# Altium PCB AD8367(1).PcbDoc
Units mil, origin at the board's own origin, x right, y up, seen from the top; angles counter-clockwise.
Board outline 1968.5 x 1968.5 mil, 2 copper layers (Top Layer, Bottom Layer); 24 components, 16 nets, 82 pads, 1051 vias.
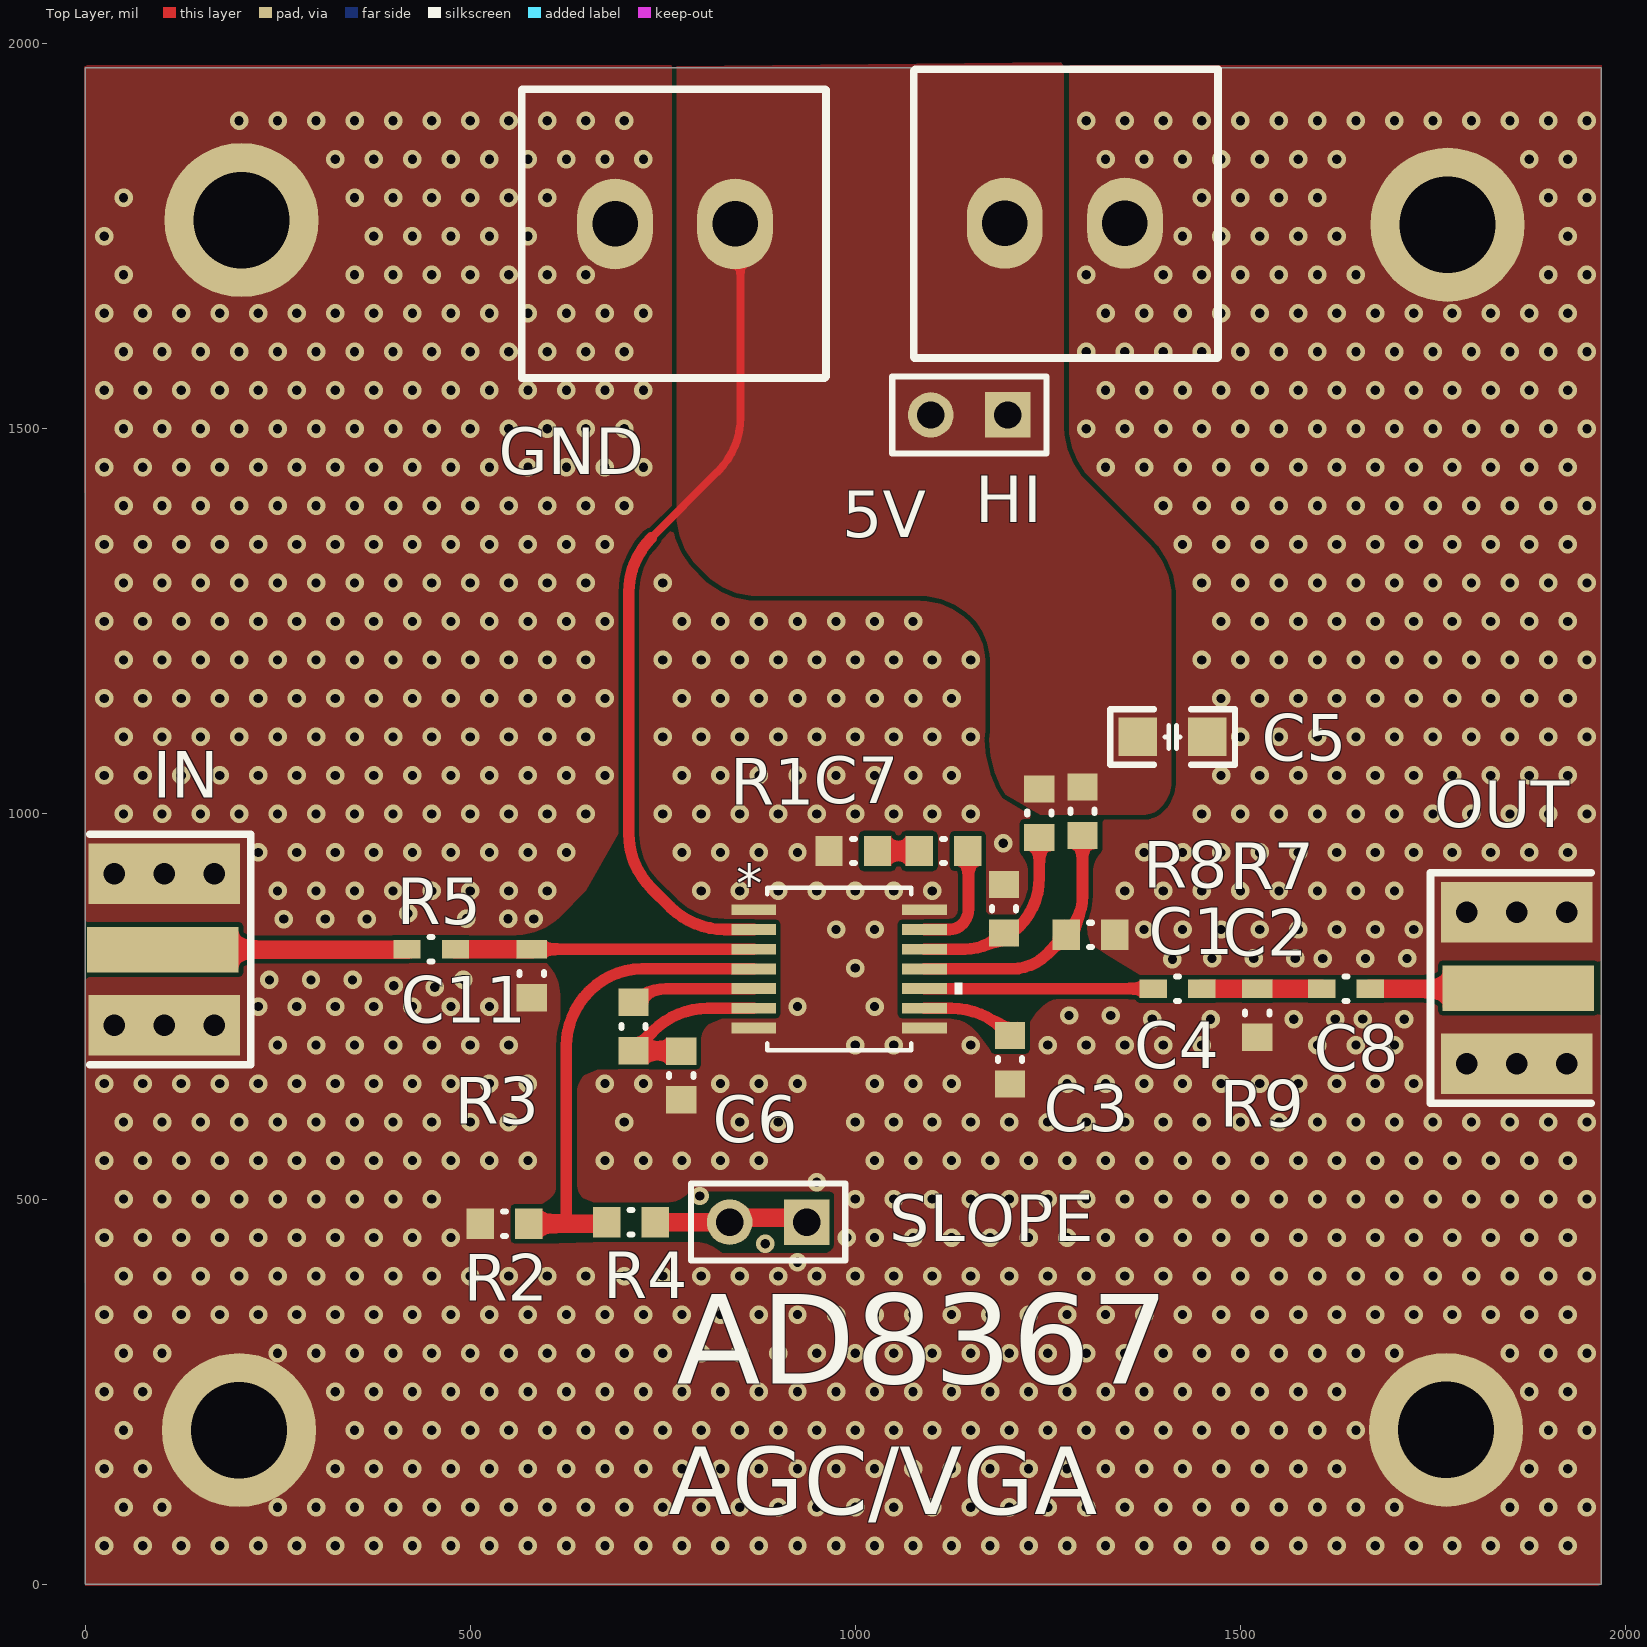
[diagram p0: Top Layer view]
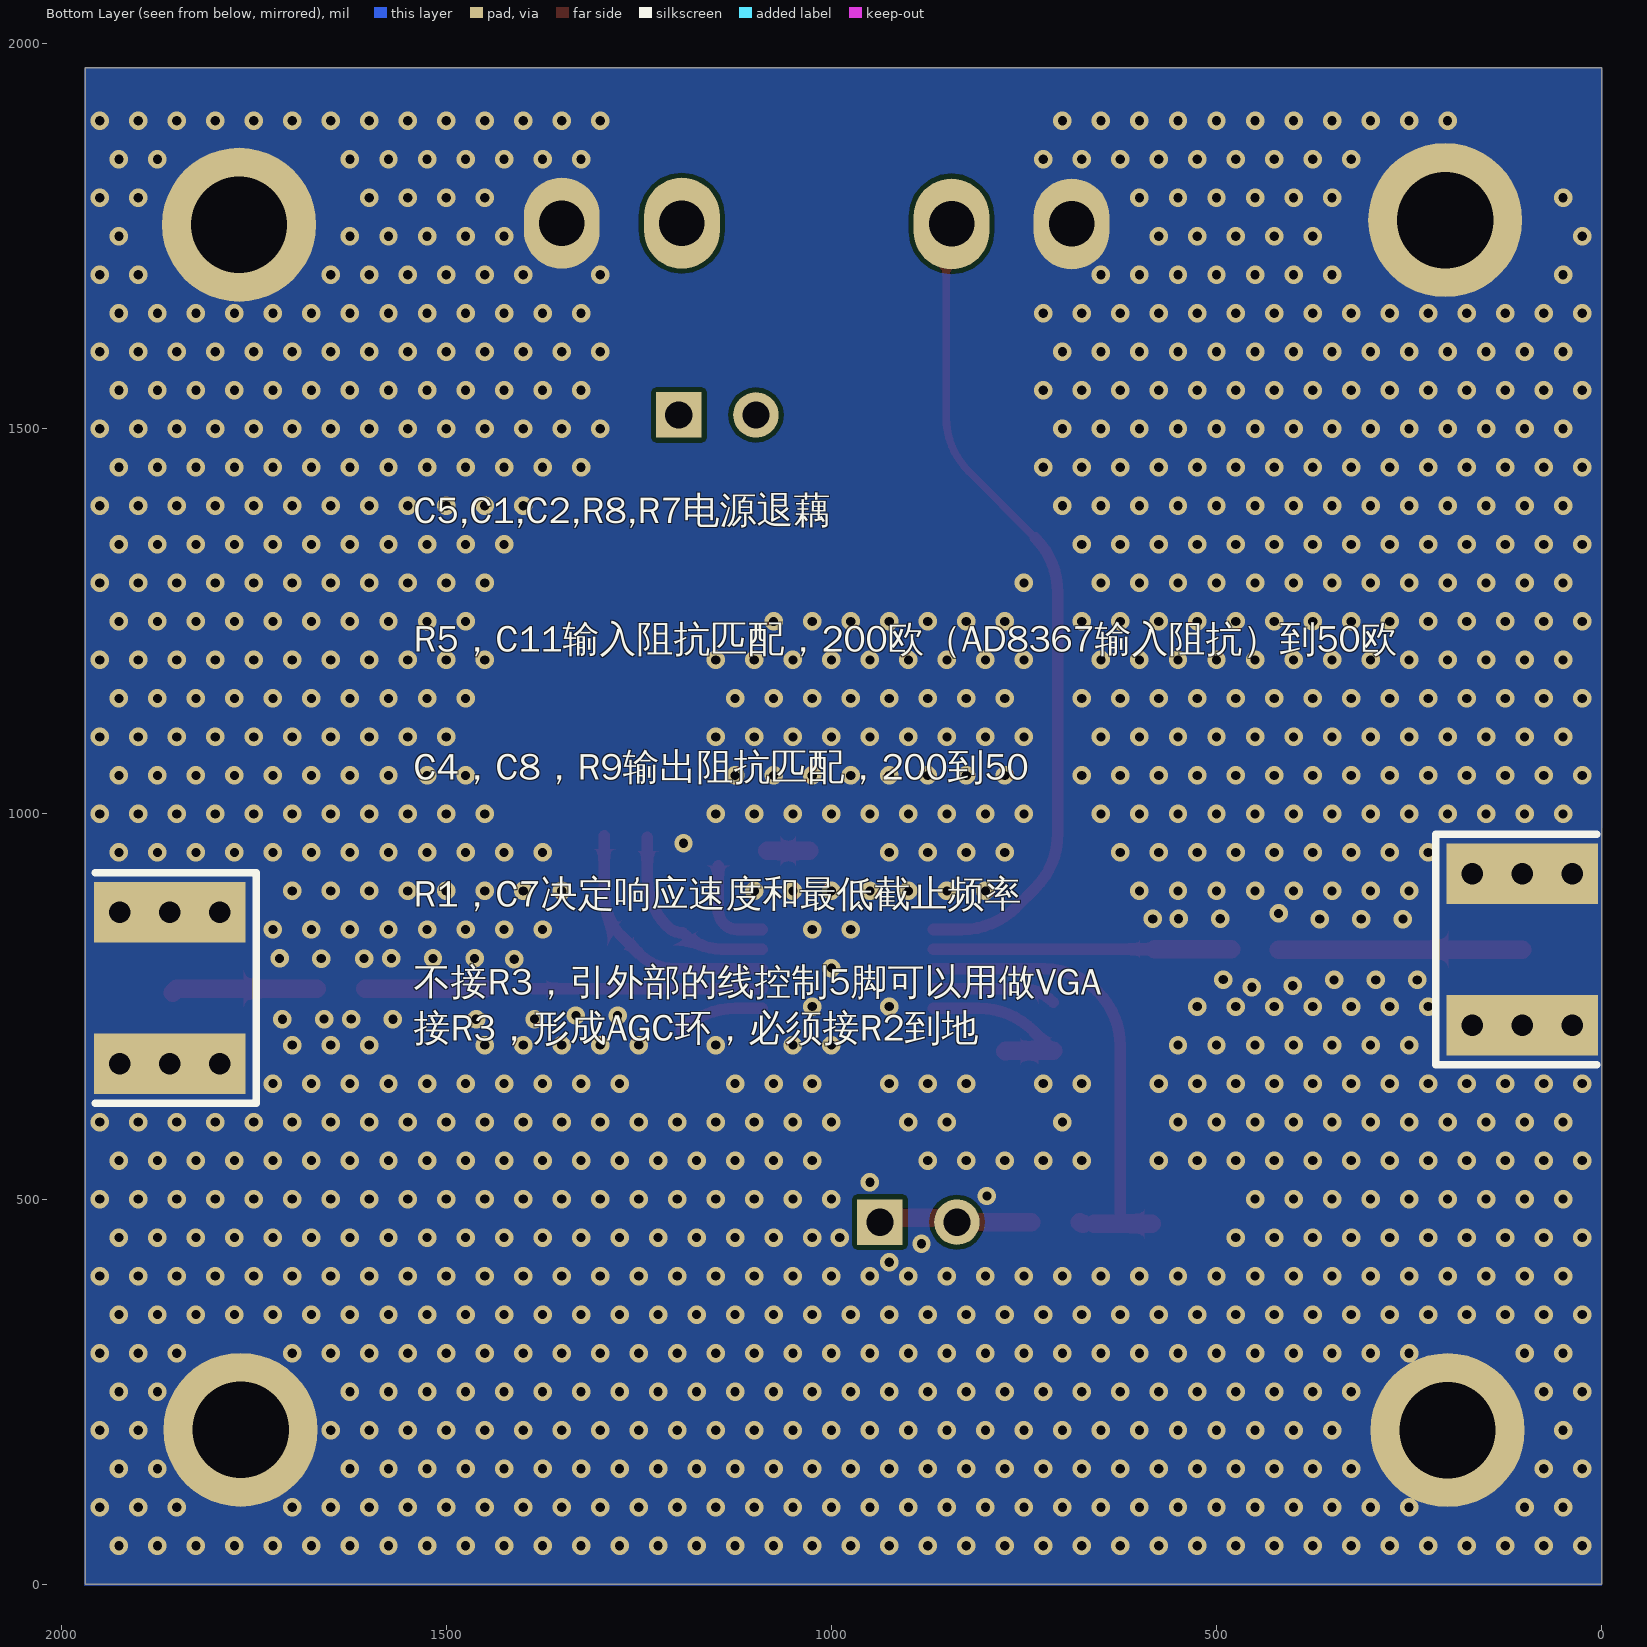
[diagram p1: Bottom Layer view, seen from below]

## Layer stack, top to bottom
Top Solder: solder mask 0.4, Solder Resist, Dk 3.5
Top Layer: signal copper 1.4
Dielectric 1: dielectric 12.6, FR-4, Dk 4.8
Bottom Layer: signal copper 1.4
Bottom Solder: solder mask 0.4, Solder Resist, Dk 3.5

## Board outline
0,0 1968.5,0 1968.5,1968.5 0,1968.5

## Design rules (kind name [scope] priority, off if disabled: settings)
Clearance [All] p1: gap=10 ignorepadtopadclearanceinfootprint=FALSE except(0: Arc-Hole Track-Hole SMDPad-Hole THPad-Hole Via-Hole Fill-Hole Poly-Hole Region-Hole Text-Hole; 6: Arc-Fill Arc-Poly Arc-Region Track-Fill Track-Poly Track-Region SMDPad-Fill SMDPad-Poly SMDPad-Region THPad-Fill THPad-Poly THPad-Region Fill-Fill Fill-Poly Fill-Region Poly-Poly Poly-Region Region-Region)
PolygonConnect [All] p1: connectstyle=Direct reliefconductorwidth=10 reliefentries=4 polygonreliefangle="90 Angle" airgapwidth=10
RoutingVias [All] p1: holewidth=28 width=50 viastyle="Through Hole" minholewidth=28 minwidth=50 maxholewidth=28 maxwidth=50
SolderMaskExpansion [All] p1: expansion=4
Width [All] p1: maxlimit=24 minlimit=10 preferedwidth=24
30 further rules are at their usual default settings.

## Components (designator, comment, footprint, x,y, rotation, side; value= is the part's Value field where it differs from the comment)
5V "3.96" 3.96 1350,1767 r180 top (schematic designator 1)
AD8367 "AD8367" RU_14 979,798.82 r0 top (schematic designator U1)
C1 "0.1uF" 0603C#1 1305.5,843 r180 top
C2 "0.1uF" 0603C#1 1193,877 r90 top
C3 "10nF" 0603C#1 1201,681 r90 top
C4 "0.1uF" 0603C#2 1418.5,773 r0 top
C5 "6pF" "C 0805_M" 1412,1100 r180 top
C6 "0.1uF" 0603C#1 774,660.5 r90 top
C7 "10nF" 0603C#1 1114.5,952 r0 top
C8 "0F" 0603C#2 1637,773 r0 top
C11 "0F" 0603C#3 580,793 r270 top
GND "3.96" 3.96 688.09,1766 r0 top (schematic designator *)
HI "Header 2" HDR1X2 1198,1518 r180 top (schematic designator P4)
IN "SMA" SMA-V 101,824 r180 top (schematic designator P1)
OUT "SMA" SMA-V 1861,774 r0 top (schematic designator P2)
R1 "100" 0603R#1 997.5,952 r0 top
R2 "0R" 0603R#1 544.5,468 r0 top
R3 "0R" 0603R#1 712,724 r270 top
R4 "10K" 0603R#1 709,470 r180 top
R5 "0R" 0603R#2 449.41,824.41 r0 top
R7 "4.7" 0603R#1 1295,1003.5 r270 top
R8 "4.7" 0603R#1 1239,1001 r270 top
R9 "0R" 0603R#3 1522,741.5 r90 top
SLOPE "Header 2" HDR1X2 937,470 r180 top (schematic designator P3)

## Footprints (in the part's own frame and the unit in brackets; to place one, negate y for a bottom-side part, rotate by r counter-clockwise, add the part's x,y. Pads: shape width x height; smd on the part's side, far side on the other; paste and mask are expansions set on the pad)
3.96 [mm]
  oval 2.5x3 hole 1.5: 1(0,0) 2(3.96,0)
  silkscreen extent -3.07,-5.08 6.96,4.45
0603C#1 [mm] "Chip Capacitor, Body 1.6x0.8mm, Height 1.0mm, IPC Medium Density"
  rect 0.9x1 smd: 1(-0.8,0) 2(0.8,0)
  silkscreen extent -0.05,-0.4 0.05,0.4, body extent -0.87,-0.48 0.88,0.47, height 1
0603C#2 [mm] "Chip Capacitor, Body 1.6x0.8mm, Height 1.0mm, IPC Medium Density"
  rect 0.9x0.61 smd: 1(-0.8,0) 2(0.8,0)
  silkscreen extent -0.05,-0.4 0.05,0.4, body extent -0.87,-0.48 0.88,0.47, height 1
0603C#3 [mm] "Chip Capacitor, Body 1.6x0.8mm, Height 1.0mm, IPC Medium Density"
  rect 0.61x1 smd: 1(-0.8,0)
  rect 0.9x1 smd: 2(0.8,0)
  silkscreen extent -0.05,-0.4 0.05,0.4, body extent -0.87,-0.48 0.88,0.47, height 1
0603R#1 [mm] "Chip Resistor, Body 1.6x0.8mm, IPC Medium Density"
  rect 0.9x1 smd: 1(-0.8,0) 2(0.8,0)
  silkscreen extent -0.05,-0.4 0.05,0.4, body extent -0.85,-0.47 0.85,0.47, height 0.6
0603R#2 [mm] "Chip Resistor, Body 1.6x0.8mm, IPC Medium Density"
  rect 0.9x0.61 smd: 1(-0.8,0) 2(0.8,0)
  silkscreen extent -0.05,-0.4 0.05,0.4, body extent -0.85,-0.47 0.85,0.47, height 0.6
0603R#3 [mm] "Chip Resistor, Body 1.6x0.8mm, IPC Medium Density"
  rect 0.9x1 smd: 1(-0.8,0)
  rect 0.61x1 smd: 2(0.8,0)
  silkscreen extent -0.05,-0.4 0.05,0.4, body extent -0.85,-0.47 0.85,0.47, height 0.6
"C 0805_M" [mil] "无极性贴片电容"
  rect 50x50 smd: 1(-45,0) 2(45,0)
  silkscreen extent -81,-36 81,36, body extent -39,-24 39,24, height 20
HDR1X2 [mm] "Connector; Header; 2 Position"
  rect 1.5x1.5 hole 0.9: 1(0,0)
  round 1.5 hole 0.9: 2(2.54,0)
  silkscreen extent -1.27,-1.27 3.81,1.27
RU_14 [mil]
  rect 58x14 smd paste+0 mask+0: 1(-111,76.77) 2(-111,51.18) 3(-111,25.59) 4(-111,0) 5(-111,-25.59) 6(-111,-51.18) 7(-111,-76.77) 8(111,-76.77) 9(111,-51.18) 10(111,-25.59) 11(111,0) 12(111,25.59) 13(111,51.18) 14(111,76.77)
  silkscreen extent -94,-106 160,106, body extent 0,0 10,10, height 10
SMA-V [mm]
  rect 5x1.5 smd: 1(0,0)
  round 1.27 hole 0.711: 2(-1.7,2.5) 2(-1.7,-2.5) 2(-0.05,2.5) 2(-0.05,-2.5) 2(1.6,2.5) 2(1.6,-2.5)
  rect 5x2 smd: 2(-0.05,2.5) 2(-0.05,-2.5)
  rect 5x2 smd far side: 2(-0.05,2.5) 2(-0.05,-2.5)
  silkscreen extent -2.9,-3.8 2.4,3.8, body extent 2.9,-4.5 12.9,4.5, height 4.5

## Part data
AD8367: "500 MHz 、45dB线性dB可变增益放大器"
C1 C2 C3 C4 C5 C6 C7 C8 C11: library part C, "Capacitor"
HI SLOPE: "Header, 2-Pin"
IN OUT: "SMA Connector"
R1 R2 R3 R4 R5 R7 R8 R9: library part Resistor, "Resistor"

## Free pads (board coordinates)
  round 200 hole 125 unplated: 2(200,200) 2(203.12,1771) 2(1767,200.41) 2(1769,1765)

## Via types
v1: diameter 24, hole 12, Top Layer to Bottom Layer, tented both sides, 1051 vias

## Nets (pads, with @x,y where several pads share a name; then routed paths per layer and width w, separated by ;. In a path a pad name is that pad's centre, name@x,y a point inside that pad or via, vN(x,y) a via of type N, cw(c..) or ccw(c..) an arc to the next point about the centre after c; other vN are vias at no path point)
GND: 5V.1 AD8367.1 AD8367.7 AD8367.8 AD8367.14 C1.1 C2.2 C3.1 C5.1 C6.1 C11.2 GND.1 IN.2 OUT.2 pad.2 R1.1 R2.1 R9.1
  other v1: 25,50 75,50 125,50 175,50 225,50 275,50 325,50 375,50 425,50 475,50 525,50 575,50 625,50 675,50 725,50 775,50 825,50 875,50 925,50 975,50 1025,50 1075,50 1125,50 1175,50 1225,50 1275,50 1325,50 1375,50 1425,50 1475,50 1525,50 1575,50 1625,50 1675,50 1725,50 1775,50 1825,50 1875,50 1925,50 50,100 100,100 250,100 300,100 350,100 400,100 450,100 500,100 550,100 600,100 650,100 700,100 750,100 800,100 850,100 900,100 950,100 1000,100 1050,100 1100,100 1150,100 1200,100 1250,100 1300,100 1350,100 1400,100 1450,100 1500,100 1550,100 1600,100 1650,100 1700,100 1850,100 1900,100 1950,100 25,150 75,150 325,150 375,150 425,150 475,150 525,150 575,150 625,150 675,150 725,150 775,150 825,150 875,150 925,150 975,150 1025,150 1075,150 1125,150 1175,150 1225,150 1275,150 1325,150 1375,150 1425,150 1475,150 1525,150 1575,150 1625,150 1875,150 1925,150 50,200 350,200 400,200 450,200 500,200 550,200 600,200 650,200 700,200 750,200 800,200 850,200 900,200 950,200 1000,200 1050,200 1100,200 1150,200 1200,200 1250,200 1300,200 1350,200 1400,200 1450,200 1500,200 1550,200 1600,200 1650,200 1900,200 1950,200 25,250 75,250 325,250 375,250 425,250 475,250 525,250 575,250 625,250 675,250 725,250 775,250 825,250 875,250 925,250 975,250 1025,250 1075,250 1125,250 1175,250 1225,250 1275,250 1325,250 1375,250 1425,250 1475,250 1525,250 1575,250 1625,250 1875,250 1925,250 50,300 100,300 250,300 300,300 350,300 400,300 450,300 500,300 550,300 600,300 650,300 700,300 750,300 800,300 850,300 900,300 950,300 1000,300 1050,300 1100,300 1150,300 1200,300 1250,300 1300,300 1350,300 1400,300 1450,300 1500,300 1550,300 1600,300 1650,300 1700,300 1850,300 1900,300 1950,300 25,350 75,350 125,350 175,350 225,350 275,350 325,350 375,350 425,350 475,350 525,350 575,350 625,350 675,350 725,350 775,350 825,350 875,350 925,350 975,350 1025,350 1075,350 1125,350 1175,350 1225,350 1275,350 1325,350 1375,350 1425,350 1475,350 1525,350 1575,350 1625,350 1675,350 1725,350 1775,350 1825,350 1875,350 1925,350 50,400 100,400 150,400 200,400 250,400 300,400 350,400 400,400 450,400 500,400 550,400 600,400 650,400 700,400 750,400 800,400 850,400 900,400 950,400 1000,400 1050,400 1100,400 1150,400 1200,400 1250,400 1300,400 1350,400 1400,400 1450,400 1500,400 1550,400 1600,400 1650,400 1700,400 1750,400 1800,400 1850,400 1900,400 1950,400 925,418 883,442 25,450 75,450 125,450 175,450 225,450 275,450 325,450 375,450 425,450 475,450 989,450 1025,450 1075,450 1125,450 1175,450 1225,450 1275,450 1325,450 1375,450 1425,450 1475,450 1525,450 1575,450 1625,450 1675,450 1725,450 1775,450 1825,450 1875,450 1925,450 50,500 100,500 150,500 200,500 250,500 300,500 350,500 400,500 450,500 1000,500 1050,500 1100,500 1150,500 1200,500 1250,500 1300,500 1350,500 1400,500 1450,500 1500,500 1550,500 1600,500 1650,500 1700,500 1750,500 1800,500 1850,500 1900,500 1950,500 798,504 950,522 25,550 75,550 125,550 175,550 225,550 275,550 325,550 375,550 425,550 475,550 525,550 575,550 675,550 725,550 775,550 825,550 875,550 1025,550 1075,550 1125,550 1175,550 1225,550 1275,550 1325,550 1375,550 1425,550 1475,550 1525,550 1575,550 1625,550 1675,550 1725,550 1775,550 1825,550 1875,550 1925,550 50,600 100,600 150,600 200,600 250,600 300,600 350,600 400,600 450,600 500,600 550,600 700,600 850,600 900,600 1000,600 1050,600 1100,600 1150,600 1200,600 1250,600 1300,600 1350,600 1400,600 1450,600 1500,600 1550,600 1600,600 1650,600 1700,600 1750,600 1800,600 1850,600 1900,600 1950,600 25,650 75,650 125,650 175,650 225,650 275,650 325,650 375,650 425,650 475,650 525,650 575,650 675,650 725,650 825,650 875,650 925,650 1025,650 1075,650 1125,650 1275,650 1325,650 1375,650 1425,650 1475,650 1525,650 1575,650 1625,650 1675,650 1725,650 250,700 300,700 350,700 400,700 450,700 500,700 550,700 1000,700 1050,700 1150,700 1250,700 1300,700 1350,700 1400,700 1450,700 1600,700 1650,700 1700,700 1385.45,733.77 1461.32,733.53 1569.32,733.53 1623.32,733.78 1658.73,733.77 1712.73,733.53 1277.64,738.35 1331.64,738.35 225,750 275,750 325,750 375,750 425,750 475,750 525,750 925,750 1025,750 454,775 400.87,777.08 239.38,784.53 293.38,784.53 347.38,784.53 491.28,784.94 1000,800 1411.76,811.31 1463.23,812.47 1517.23,812.47 1571.23,812.47 1606.79,812.23 1662.4,812.23 1716.4,812.47 975,850 1025,850 1375,850 1425,850 1475,850 1525,850 1575,850 1625,850 1675,850 1725,850 257.93,863.47 311.93,863.47 365.93,863.47 495.23,863.88 549.23,863.88 582.67,863.73 419.42,870.92 250,900 300,900 350,900 400,900 450,900 500,900 550,900 600,900 800,900 850,900 900,900 950,900 1000,900 1050,900 1100,900 1350,900 1400,900 1450,900 1500,900 1550,900 1600,900 1650,900 1700,900 225,950 275,950 325,950 375,950 425,950 475,950 525,950 575,950 625,950 775,950 825,950 875,950 925,950 1375,950 1425,950 1475,950 1525,950 1575,950 1625,950 1675,950 1725,950 1775,950 1825,950 1875,950 1925,950 1192,962 50,1000 100,1000 150,1000 200,1000 250,1000 300,1000 350,1000 400,1000 450,1000 500,1000 550,1000 600,1000 650,1000 750,1000 800,1000 850,1000 900,1000 950,1000 1000,1000 1050,1000 1100,1000 1150,1000 1450,1000 1500,1000 1550,1000 1600,1000 1650,1000 1700,1000 1750,1000 1800,1000 1850,1000 1900,1000 1950,1000 25,1050 75,1050 125,1050 175,1050 225,1050 275,1050 325,1050 375,1050 425,1050 475,1050 525,1050 575,1050 625,1050 675,1050 775,1050 825,1050 875,1050 925,1050 975,1050 1025,1050 1075,1050 1125,1050 1475,1050 1525,1050 1575,1050 1625,1050 1675,1050 1725,1050 1775,1050 1825,1050 1875,1050 1925,1050 50,1100 100,1100 150,1100 200,1100 250,1100 300,1100 350,1100 400,1100 450,1100 500,1100 550,1100 600,1100 650,1100 750,1100 800,1100 850,1100 900,1100 950,1100 1000,1100 1050,1100 1100,1100 1150,1100 1500,1100 1550,1100 1600,1100 1650,1100 1700,1100 1750,1100 1800,1100 1850,1100 1900,1100 1950,1100 25,1150 75,1150 125,1150 175,1150 225,1150 275,1150 325,1150 375,1150 425,1150 475,1150 525,1150 575,1150 625,1150 675,1150 775,1150 825,1150 875,1150 925,1150 975,1150 1025,1150 1075,1150 1125,1150 1475,1150 1525,1150 1575,1150 1625,1150 1675,1150 1725,1150 1775,1150 1825,1150 1875,1150 1925,1150 50,1200 100,1200 150,1200 200,1200 250,1200 300,1200 350,1200 400,1200 450,1200 500,1200 550,1200 600,1200 650,1200 750,1200 800,1200 850,1200 900,1200 950,1200 1000,1200 1050,1200 1100,1200 1150,1200 1450,1200 1500,1200 1550,1200 1600,1200 1650,1200 1700,1200 1750,1200 1800,1200 1850,1200 1900,1200 1950,1200 25,1250 75,1250 125,1250 175,1250 225,1250 275,1250 325,1250 375,1250 425,1250 475,1250 525,1250 575,1250 625,1250 675,1250 775,1250 825,1250 875,1250 925,1250 975,1250 1025,1250 1075,1250 1475,1250 1525,1250 1575,1250 1625,1250 1675,1250 1725,1250 1775,1250 1825,1250 1875,1250 1925,1250 50,1300 100,1300 150,1300 200,1300 250,1300 300,1300 350,1300 400,1300 450,1300 500,1300 550,1300 600,1300 650,1300 750,1300 1450,1300 1500,1300 1550,1300 1600,1300 1650,1300 1700,1300 1750,1300 1800,1300 1850,1300 1900,1300 1950,1300 25,1350 75,1350 125,1350 175,1350 225,1350 275,1350 325,1350 375,1350 425,1350 475,1350 525,1350 575,1350 625,1350 675,1350 1425,1350 1475,1350 1525,1350 1575,1350 1625,1350 1675,1350 1725,1350 1775,1350 1825,1350 1875,1350 1925,1350 50,1400 100,1400 150,1400 200,1400 250,1400 300,1400 350,1400 400,1400 450,1400 500,1400 550,1400 600,1400 650,1400 700,1400 1400,1400 1450,1400 1500,1400 1550,1400 1600,1400 1650,1400 1700,1400 1750,1400 1800,1400 1850,1400 1900,1400 1950,1400 25,1450 75,1450 125,1450 175,1450 225,1450 275,1450 325,1450 375,1450 425,1450 475,1450 525,1450 575,1450 625,1450 675,1450 725,1450 1325,1450 1375,1450 1425,1450 1475,1450 1525,1450 1575,1450 1625,1450 1675,1450 1725,1450 1775,1450 1825,1450 1875,1450 1925,1450 50,1500 100,1500 150,1500 200,1500 250,1500 300,1500 350,1500 400,1500 450,1500 500,1500 550,1500 600,1500 650,1500 700,1500 1300,1500 1350,1500 1400,1500 1450,1500 1500,1500 1550,1500 1600,1500 1650,1500 1700,1500 1750,1500 1800,1500 1850,1500 1900,1500 1950,1500 25,1550 75,1550 125,1550 175,1550 225,1550 275,1550 325,1550 375,1550 425,1550 475,1550 525,1550 575,1550 625,1550 675,1550 725,1550 1325,1550 1375,1550 1425,1550 1475,1550 1525,1550 1575,1550 1625,1550 1675,1550 1725,1550 1775,1550 1825,1550 1875,1550 1925,1550 50,1600 100,1600 150,1600 200,1600 250,1600 300,1600 350,1600 400,1600 450,1600 500,1600 550,1600 600,1600 650,1600 700,1600 1300,1600 1350,1600 1400,1600 1450,1600 1500,1600 1550,1600 1600,1600 1650,1600 1700,1600 1750,1600 1800,1600 1850,1600 1900,1600 1950,1600 25,1650 75,1650 125,1650 175,1650 225,1650 275,1650 325,1650 375,1650 425,1650 475,1650 525,1650 575,1650 625,1650 675,1650 725,1650 1325,1650 1375,1650 1425,1650 1475,1650 1525,1650 1575,1650 1625,1650 1675,1650 1725,1650 1775,1650 1825,1650 1875,1650 1925,1650 50,1700 350,1700 400,1700 450,1700 500,1700 550,1700 600,1700 650,1700 1300,1700 1400,1700 1450,1700 1500,1700 1550,1700 1600,1700 1650,1700 1900,1700 1950,1700 25,1750 375,1750 425,1750 475,1750 525,1750 575,1750 1425,1750 1475,1750 1525,1750 1575,1750 1625,1750 1925,1750 50,1800 350,1800 400,1800 450,1800 500,1800 550,1800 600,1800 1450,1800 1500,1800 1550,1800 1600,1800 1900,1800 1950,1800 325,1850 375,1850 425,1850 475,1850 525,1850 575,1850 625,1850 675,1850 725,1850 1325,1850 1375,1850 1425,1850 1475,1850 1525,1850 1575,1850 1625,1850 1875,1850 1925,1850 200,1900 250,1900 300,1900 350,1900 400,1900 450,1900 500,1900 550,1900 600,1900 650,1900 700,1900 1300,1900 1350,1900 1400,1900 1450,1900 1500,1900 1550,1900 1600,1900 1650,1900 1700,1900 1750,1900 1800,1900 1850,1900 1900,1900 1950,1900
NetC1_2: AD8367.11 C1.2 R7.2 | length 334.1
  Top Layer w15: AD8367.11 1202.89,798.82 ccw(c1202.89,863.82) 1248.86,817.86 C1.2 ccw(c1223.3,893.7) 1295,893.7 R7.2
NetC2_1: AD8367.12 C2.1 R8.2 | length 253.4
  Top Layer w15: AD8367.12 1142.07,824.41 ccw(c1142.07,896.43) C2.1 ccw(c1193,873.28) 1212.64,853.64 ccw(c1149,917.28) 1239,917.28 R8.2
NetC3_2: AD8367.9 C3.2 | length 113
  Top Layer w15: AD8367.9 1124.44,747.64 cw(c1124.44,647.64) C3.2@1195.15,718.35
NetC4_1: AD8367.10 C4.1 | length 297.1
  Top Layer w15: AD8367.10 1386.77,773.23 C4.1
NetC4_2: C4.2 C8.1 R9.2 | length 152.6
  Top Layer w24: C4.2 R9.2 ; R9.2@1524.41,773 C8.1@1605,773
NetC6_2: AD8367.6 C6.2 R3.2 | length 236.7
  Top Layer w15: R3.2 737.84,718.35 cw(c808.56,647.64) 808.56,747.64 AD8367.6
  Top Layer w24: R3.2 772.78,692.5 cw(c772.78,690.78) C6.2
NetC7_1: C7.1 R1.2 | length 54
  Top Layer w24: R1.2 C7.1
NetC7_2: AD8367.13 C7.2 | length 129
  Top Layer w15: AD8367.13 1122.1,850 ccw(c1122.1,873.9) 1139,857 ccw(c1119.71,876.29) 1146.99,876.29 C7.2@1146.99,933
NetC8_2: C8.2 OUT.1 | length 189.1
  Top Layer w24: C8.2@1667.99,773 C8.2 1850,773 OUT.1@1855,768
NetC11_1: AD8367.3 C11.1 R5.2 | length 389
  Top Layer w0: R5.2@480.5,824 R5.2 ; C11.1@578.8,824 ccw(c578.8,825.69) C11.1@579.91,824.41
  Top Layer w15: C11.1@580.09,824.41 AD8367.3
  Top Layer w24: R5.2 C11.1@579.91,824.41 ; C11.1 cw(c578.8,825.69) C11.1@579.91,824.41 ; C11.1@580.09,824.41 C11.1@579.91,824.41
NetP1_1: IN.1 R5.1 | length 316.5
  Top Layer w24: IN.1@103,824 R5.1@419.5,824
NetP3_1: R4.1 SLOPE.1 SLOPE.2 | length 193
  Top Layer w24: R4.1 SLOPE.2 843,476 SLOPE.1@931,476
NetR2_2: AD8367.4 R2.2 R4.2 | length 603.3
  Top Layer w15: 624,476 ccw(c621.59,478.41) 625,478.41 625,698.58 cw(c725,698.58) 654.29,769.29 656,771 cw(c723.16,703.84) 723.16,798.82 AD8367.4
  Top Layer w24: R2.2@584,468 658.68,468 ; R4.2@672.68,468 ccw(c672.68,474.83) R4.2
NetR3_1: AD8367.5 R3.1 | length 160.7
  Top Layer w15: R3.1 cw(c754.81,712.69) 754.81,773.23 AD8367.5
VCC: 5V.2 AD8367.2 C5.2 GND.2 HI.1 HI.2 R7.1 R8.1 | length 1074.1
  Top Layer w10: 735.29,1358.29 821.71,1444.71 ccw(c751,1515.42) 851,1515.42 851,1749.1 ccw(c827.1,1749.1) GND.2
  Top Layer w15: 735.29,1358.29 ccw(c806,1287.58) 706,1287.58 706,974.42 ccw(c806,974.42) 735.29,903.71 759.71,879.29 ccw(c830.42,950) 830.42,850 AD8367.2

## Polygon pours and split planes (outlines as drawn)
GND on Top Layer "Top Layer-No Net" (solid, pour order 10): -1,1970 cw(c3.83,1965.17) 3.83,1972 1969,1972 1969,0.41 ccw(c1972.41,0.41) 1970,-2 0,-2
VCC on Top Layer "Top Layer-No Net" (solid, pour order 2): 768,1971 768,1390.42 ccw(c868,1390.42) 797.29,1319.71 805,1312 ccw(c875.01,1382.01) 875.01,1283 1084.4,1283 cw(c1084.4,1187.4) 1152,1255 cw(c1096.48,1199.48) 1175,1199.47 1175,1107.42 ccw(c1311.51,1097.55) 1195.38,1025.11 1240.14,999 1374.27,999 ccw(c1374.27,1029.73) 1396,1008 ccw(c1362.2,1041.8) 1410,1041.8 1410,1280.58 ccw(c1310.01,1280.58) 1380.71,1351.29 1300.29,1431.71 cw(c1371,1502.42) 1271,1502.42 1271,1973.59 cw(c1274.41,1973.59) 1272,1976
GND on Bottom Layer "Top Layer-No Net" (solid, pour order 6): -1,1969 1969,1969 cw(c1966.59,1966.59) 1970,1966.59 1970,-2 0,-2

## Other copper
Top Layer:
  pour cut-out: 757,496 760.31,496.16 766.81,497.46 772.93,499.99 778.44,503.67 780.9,505.9 782,507 782.71,507.71 784.39,508.83 786.25,509.61 788.23,510 789.24,510 964.76,510 965.77,510 967.75,509.61 969.61,508.83 971.29,507.71 972,507 972.24,506.76 972.61,506.2 972.87,505.58 973,504.92 973,504.59 973,443.66 973,442.31 972.48,439.67 971.45,437.19 969.95,434.95 969,434 968.05,433.05 965.81,431.55 963.33,430.52 960.69,430 959.34,430 827,430 823.52,433.15 815.73,438.36 807.08,441.94 797.89,443.77 793.2,444 757,444
  pour cut-out: 1054.51,843 1054.51,754.64 1085.64,754.64
  pour cut-out: 903.49,843 903.49,740.64 884.9,740.64 882.55,740.64 877.93,741.56 873.58,743.36 869.66,745.97 868,747.64
  pour cut-out: 827,734 826.52,734.48 825.41,735.22 824.16,735.74 822.84,736 822.17,736 792.21,736 787.17,736 777.27,734.03 767.95,730.17 759.57,724.57 756,721 757.64,719.36 759.15,717.85 762.71,715.47 766.66,713.84 770.86,713 773,713 786.51,713 788.31,713.19 791.9,713.05 795.4,712.21 798.67,710.7 800.18,709.72 800.52,712.03 801.88,716.49 804.08,720.61 807.05,724.21 808.78,725.78 810,727
  pour cut-out: 664.93,667.79 638.76,667.79 638.76,628.24 639,628 639,639.27 639.15,642.28 640.32,648.19 642.63,653.76 645.97,658.77 648,661
  pour cut-out: 1321.18,954.28 1320.13,954.28 1318.06,953.87 1316.11,953.07 1314.36,951.9 1313.62,951.15 1310.19,947.72 1309.19,946.73 1307.63,944.38 1306.55,941.78 1306,939.02 1306,937.61 1306,900.73 1306,899.75 1306.38,897.83 1307.13,896.02 1308.22,894.39 1308.91,893.7 1308.91,924.67 1309.08,928.14 1310.44,934.94 1313.09,941.35 1316.94,947.12 1319.28,949.69
  pour cut-out: 1223.9,945.16 1225.11,943.95 1227.02,941.1 1228.33,937.93 1229,934.57 1229,932.85 1229,907 1224,907 1223.9,907.1
  pour cut-out: 1212.82,951.79 1213.88,951.79 1215.96,951.37 1217.92,950.56 1219.68,949.39 1220.43,948.64 1223.9,945.16 1223.9,925.04 1223.75,928.11 1222.55,934.13 1220.2,939.81 1216.79,944.92 1214.72,947.2
  pour cut-out: 1170.21,932.31 1164.77,926.88 1164.51,926.64 1163.92,926.25 1163.27,925.98 1162.58,925.84 1162.22,925.82 1161.87,925.47 1161.33,924.65 1160.95,923.74 1160.76,922.78 1160.76,922.28 1160.76,884.32 1160.76,884.06 1160.86,883.56 1161.06,883.08 1161.34,882.65 1161.53,882.46 1161.53,881.76 1161.8,880.4 1162.33,879.11 1163.11,877.95 1163.6,877.46 1169.95,871.11 1170.01,871.26 1170.07,871.57 1170.07,871.89 1170.01,872.21 1169.95,872.36
  pour cut-out: 1174.82,694.78 1175.81,695.77 1177.38,698.11 1178.45,700.71 1179,703.46 1179,704.87 1179,716 1179,717.66 1178.35,720.93 1177.08,724 1175.23,726.77 1174.05,727.95 1164,738 1162.98,737.07 1160.68,735.54 1158.13,734.48 1155.42,733.94 1154.04,733.87 1124.44,733.87 1128.15,733.69 1135.43,732.24 1142.29,729.4 1148.47,725.28 1151.22,722.78 1159,715
  pour cut-out: 1227.18,730.21 1226.29,731.02 1224.29,732.36 1222.07,733.28 1219.71,733.74 1218.51,733.8 1175.11,733.8 1175.1,734.06 1175,734.56 1174.8,735.04 1174.52,735.47 1174.34,735.66 1150,760 1152.38,762.38 1157.97,766.11 1164.18,768.69 1170.78,770 1174.14,770 1241.86,770 1245.22,770 1251.82,768.69 1258.03,766.11 1263.62,762.38 1266,760 1262.92,759.85 1256.89,758.65 1251.21,756.29 1246.09,752.88 1243.81,750.81 1235,742
  pour cut-out: 1369.28,791.49 1364.89,787.1 1354.54,780.19 1343.05,775.43 1330.85,773 1324.63,773 1261,773 1259.67,773 1257.06,773.52 1254.59,774.54 1252.38,776.02 1251.44,776.96 1218.22,810.18 1220.76,812.73 1226.75,816.73 1233.41,819.49 1240.47,820.89 1244.07,820.89 1244.08,820.89 1291.07,820.89 1291.8,820.89 1293.23,820.61 1294.58,820.05 1295.79,819.24 1296.31,818.72 1296.74,819.19 1297.44,820.25 1297.93,821.43 1298.18,822.68 1298.21,823.31 1298.21,823.32 1298.21,852.24 1298.21,854.18 1298.97,857.99 1300.46,861.58 1302.61,864.81 1303.99,866.18 1302.71,861.86 1301.44,852.93 1301.95,843.94 1304.19,835.21 1305.95,831.05 1330,815
  pour cut-out: 1173.32,869.71 1174.95,868.08 1177.52,864.23 1179.29,859.96 1180.19,855.43 1180.19,853.11 1180.19,825.35 1137.28,825.35 1136.96,825.34 1136.34,825.21 1135.76,824.97 1135.23,824.62 1135,824.41 1134.76,824.65 1134.39,825.21 1134.13,825.83 1134,826.49 1134,826.82 1134,852 1134,854.21 1134.86,858.55 1136.55,862.63 1139.01,866.31 1140.57,867.87 1160.76,888.05 1160.76,887.66 1160.84,885.9 1161.53,882.46 1162.87,879.22 1164.82,876.3 1166,875
  pour cut-out: 1262,967 1260.81,967 1258.48,966.54 1256.28,965.63 1254.31,964.31 1253.46,963.46 1239,949 1237.57,947.57 1235.33,944.22 1233.79,940.49 1233,936.53 1233,934.51 1233,879 1232.76,879 1232.3,878.91 1231.86,878.73 1231.46,878.46 1231.29,878.29 1165.54,812.54 1164.66,811.74 1162.69,810.43 1160.5,809.52 1158.18,809.06 1157,809 1178.31,809 1181.72,808.83 1188.4,807.5 1194.7,804.9 1200.37,801.11 1202.89,798.82 1207.62,803.1 1218.22,810.18 1229.99,815.06 1242.49,817.54 1248.86,817.86 1248.93,819.28 1249.48,822.06 1250.57,824.69 1252.15,827.05 1253.1,828.1 1278.15,853.15 1281.68,856.68 1287.23,864.99 1291.05,874.21 1293,884.01 1293,889 1293,967.17 1293.03,967.84 1293.29,969.15 1293.81,970.39 1294.55,971.5 1295,972
  pour cut-out: 659.79,443.82 651.75,451.86 651.47,452.13 650.84,452.56 650.13,452.85 649.38,453 649,453 596.58,452.79 595.9,452.11 594.82,450.5 594.09,448.72 593.71,446.83 593.71,445.86 593.71,441.82
  pour cut-out: 659.79,496.18 658.94,495.24 657.53,493.13 656.56,490.79 656.06,488.3 656,487.04 656,482 649.27,482 647.81,482 644.94,482.57 642.23,483.69 639.8,485.32 638.76,486.35 638.58,486.53 638.3,486.96 638.1,487.44 638,487.94 638,488.2 638,516 639,517 639.09,515.11 639.83,511.39 641.28,507.9 643.38,504.75 644.66,503.34 647,501
  pour cut-out: 593.71,494.18 593.93,494.17 594.37,494.08 594.79,493.91 595.16,493.66 595.32,493.51 600.24,488.59 601.1,487.74 603.1,486.4 605.34,485.47 607.71,485 608.91,485 613,485 613,510.17 613,510.84 612.74,512.16 612.22,513.41 611.48,514.52 611,515 610.92,513.34 610.27,510.09 609,507.03 607.16,504.28 606.05,503.05 603,500
  pour cut-out: 754.32,667.79 752.71,669.39 751.78,670.33 749.57,671.8 747.13,672.81 744.53,673.33 743.21,673.33 729.33,673.33 729,673 730.26,671.74 730.58,671.39 731.11,670.59 731.47,669.71 731.66,668.77 731.68,668.29
  pour cut-out: 692.32,668.29 692.2,668.17 691.91,667.98 691.6,667.86 691.27,667.79 691.1,667.79 638.76,667.79 638.76,756.53 638.76,760.39 640.27,767.95 643.22,775.07 647.5,781.48 650.23,784.21 651.77,782.81 655.23,780.5 659.07,778.91 663.14,778.1 665.22,778 709,778 709.2,773.98 710.77,766.09 713.85,758.65 718.32,751.96 721.02,748.98 731,739 729.93,737.82 728.15,735.16 726.93,732.22 726.31,729.09 726.23,727.49 726.23,726.48 717.44,717.69 717.21,717.46 716.66,717.09 716.06,716.84 715.41,716.71 715.08,716.71 714.76,716.7 714.12,716.57 713.53,716.32 712.99,715.96 712.75,715.75 694,697
  pour cut-out: 599.68,806 610.17,816.49 610.91,817.3 612.13,819.13 612.97,821.16 613.4,823.31 613.45,824.41 668.94,824.41 670.76,824.41 674.33,823.7 677.69,822.31 680.71,820.29 682,819 693.88,807.12 694.38,806.62 695.18,805.43 695.72,804.11 696,802.71 696,802 693.39,801.87 688.26,800.85 683.44,798.85 679.09,795.95 677.15,794.19 616.72,733.76 616.72,764.87 616.44,770.57 614.22,781.76 609.85,792.29 603.52,801.77
  pour cut-out: 692.15,974.42 694.43,972.14 700.75,965.82 710.68,950.96 717.51,934.46 721,916.93 721,908 721.95,908 723.82,907.63 725.57,906.9 727.16,905.84 727.83,905.17 777.86,855.14 781.37,851.96 789.24,846.7 797.98,843.08 807.27,841.23 812,841 812,840.76 811.91,840.3 811.73,839.86 811.46,839.46 811.29,839.29 800,828 799.15,827.15 797.14,825.8 794.91,824.88 792.54,824.41 791.33,824.41 603,824.41 597.27,824.41 586.03,826.65 575.44,831.03 565.9,837.4 561.85,841.45 560.32,842.99 568.05,843.37 583.21,846.39 597.5,852.31 610.36,860.9 616.1,866.1 650,900
  pour cut-out: 
  pour cut-out: 1623.22,791.49 1650.78,791.49 1650.78,754.51 1623.22,754.51
  pour cut-out: 1404.72,791.49 1432.28,791.49 1432.28,754.51 1404.72,754.51
  pour cut-out: 695.22,496.18 722.78,496.18 722.78,443.82 695.22,443.82
  pour cut-out: 435.63,842.9 463.19,842.9 463.19,805.91 435.63,805.91

## Silkscreen, mask and mechanical layers (free items; w line width, h text height)
Top Overlay:
  pour cut-out: 1190,1022 1190.94,1021.06 1195.06,1017.33 1204.3,1011.15 1214.56,1006.9 1225.46,1004.73 1231.02,1004.46 1232.14,1004 1233.67,1002.13 1234.14,999.76 1233.44,997.44 1232.59,996.59 1224,988 1223.76,987.76 1223.2,987.39 1222.58,987.13 1221.92,987 1221.59,987 1213,987 1212.87,989.6 1211.86,994.71 1209.86,999.52 1206.97,1003.85 1205.22,1005.78 1198,1013
  text "AGC/VGA" at 758,62 h150
Bottom Overlay:
  text "C5,C1,C2,R8,R7电源退藕" at 1542,1366 h60
  text "R5，C11输入阻抗匹配，200欧（AD8367输入阻抗）到50欧" at 1542,1198.79 h60
  text "C4，C8，R9输出阻抗匹配，200到50" at 1542,1032.86 h60
  text "R1，C7决定响应速度和最低截止频率" at 1542,867.71 h60
  text "不接R3，引外部的线控制5脚可以用做VGA  / 接R3，形成AGC环，必须接R2到地" at 1542,693.9 h60
Mechanical 1:
  lines w10: 4170,0 4195,25 ; 0,0 1968.5,0 1968.5,1922 0,1922 0,0

## Text inside footprints (layer, text, board x,y; h text height)
AD8367: Top Overlay "*" at 845.5,884.59 h50; Mechanical 13 "*" at 893,846.32 h50